# KiCad board Coral Dev Board Micro-PcbDoc.kicad_pcb (continued)
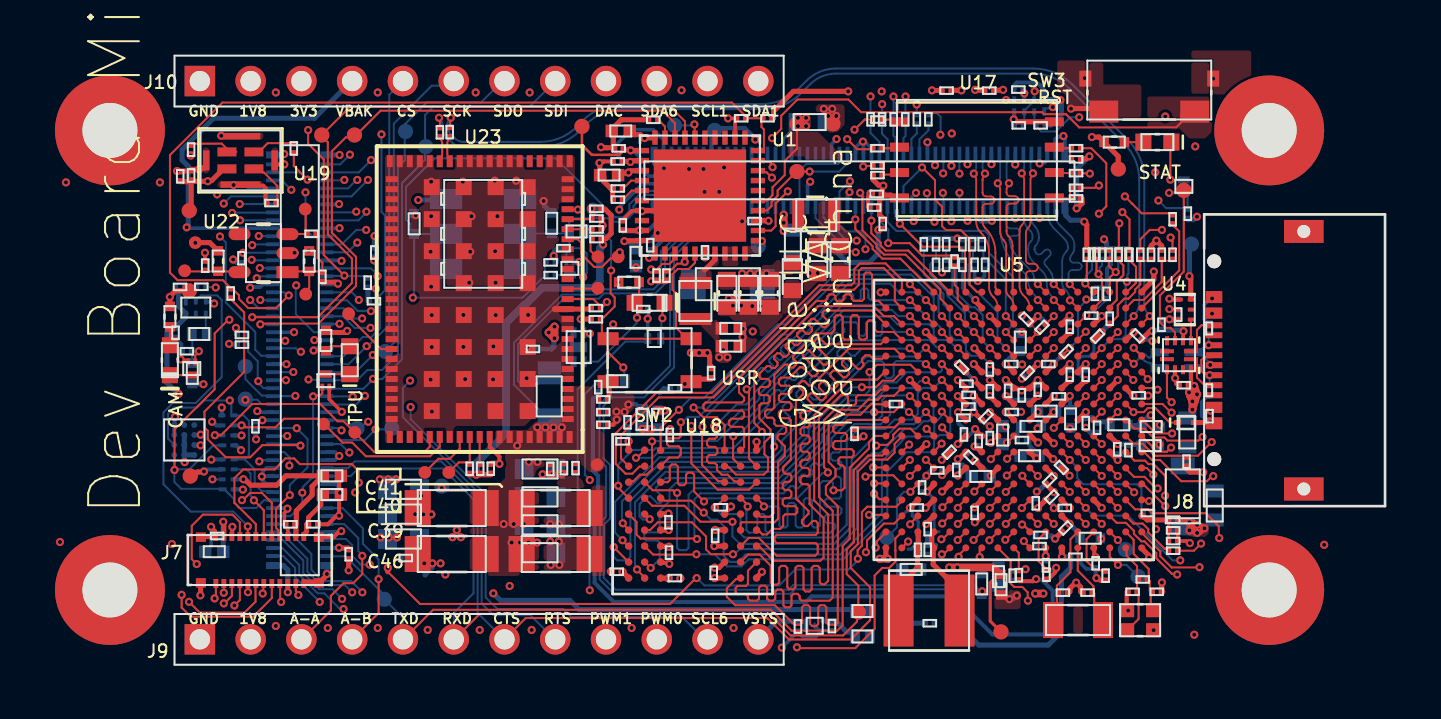
[diagram p0: board, top side]
## Routing (per net, layer and track width the routed paths; a pad name or vN(x,y) marks a point on that pad's centre or on a via; arc(x,y) is an arc through that point) (continued)
VDD_1V8: length 59
  Top w0.102: v1(35.85,21.77) 35.85,21.76 36.09,21.76 36.09,21.76 ; U5.E7 41.02,15.46
  Top w0.203: v1(50.4,18.32) 50.46,18.32 50.5,18.27 50.9,18.27 U4.1
  Top w0.254: U5.M12 v1(45.41,9.46) ; v1(39.82,15.05) U5.F6 ; U5.D12 v1(45.42,16.65) ; U5.G13 v1(46.22,14.25) ; U5.P7 40.66,7.89 v1(40.66,7.88) ; 51.29,9.93 51.29,9.79 51.44,9.64 v1(52.1,9.64) ; 40.65,15.83 41.02,15.46 ; v1(39.83,12.64) U5.J6 ; v1(39.82,14.25) U5.G6 ; 50.39,18.32 50.43,18.28 ; 24.75,19.17 25.24,19.17 ; v1(39.82,13.45) U5.H6 ; v1(9.34,4.73) 9.34,5.23 ; v1(40.62,15.05) U5.F7
  Top w0.381: v1(24.75,12.73) 25.15,12.73 ; v1(31.11,21.71) v1(31.11,22.52)
  In2.Cu w0.254: v1(24.48,19.19) 23.8,18.51 22.59,18.51 21.82,19.28 21.82,19.82 21.05,20.59 19.77,20.59 19.65,20.47 19.61,20.47 v1(19.6,20.46) 18.72,19.58 11.53,19.58 10.97,19.02 10.96,19.02 10.76,18.81 v1(10.71,18.81)
  In2.Cu w0.381: 24.74,12.72 25.15,12.72 v1(25.15,12.72) ; v1(31.11,21.71) v1(31.11,22.52)
  In3.Cu w0.381: v1(24.75,12.73) 24.75,12.73 25.16,12.73 25.17,12.72 ; v1(31.11,21.71) v1(31.11,22.52)
  In4.Cu w0.254: 51.76,9.97 52.1,9.64 v1(52.1,9.64) ; 25.07,12.73 25.14,12.73 v1(25.15,12.72)
  In4.Cu w0.381: 51.07,18.46 50.94,18.32 50.36,18.32 50.35,18.32
  In5.Cu w0.381: v1(24.75,12.73) 25.17,12.73 ; v1(31.11,21.71) v1(31.11,22.52)
  Bottom w0.102: v1(43.02,16.65) 43.02,16.71 ; J6.36 31.9,24.73 32.23,25.06 33.83,25.06 33.9,25.13 33.9,25.6 ; 19.79,20.85 19.8,20.84 ; v1(31.11,21.71) 31.53,21.71 R3.2 ; J6.32 31.11,22.87 v1(31.11,22.52) ; 19.65,20.3 19.67,20.23 19.75,20.13 ; 39.82,12.63 v1(39.83,12.64) 40.05,12.86 40.05,12.87 ; 31.44,21.75 31.11,22.08 v1(31.11,22.12)
  Bottom w0.152: 46.63,16.12 46.63,15.66 46.4,15.44 46.02,15.44 45.84,15.26 45.84,14.6 46.19,14.25 v1(46.22,14.25) ; 45.51,16.57 45.51,16.59 45.45,16.65 v1(45.42,16.65) ; 46.53,16.22 46.6,16.22
  Bottom w0.203: 40.13,11.82 40.1,11.82 40.03,11.9 40.03,11.91 39.86,12.07 39.86,12.34 39.83,12.36 ; v1(44.95,28.26) 44.9,28.26 44.85,28.31 44.14,28.31 ; v1(4.05,8.77) 4.04,8.77 3.62,8.77 U13.8 ; v1(45.44,11.83) 45.44,11.85 ; R21.2 42.65,28.81 42.65,29.02 42.77,29.14 43.51,29.14 arc(43.62,29.13) 43.72,29.11 arc(43.73,29.1) 43.74,29.1 arc(43.84,29.07) 43.93,29.01 arc(43.95,28.99) 43.97,28.97 arc(43.98,28.96) 43.98,28.96 44.02,28.92 arc(44.11,28.78) 44.14,28.62 U14.8 ; U10.8 3.72,10.98 v1(3.96,10.74)
  Bottom w0.254: 19.63,20.49 19.63,20.68 19.8,20.84 ; v1(24.75,12.73) 24.74,12.73 24.74,12.73 ; 10.31,18.19 10.31,18.82 10.31,18.82 10.3,18.82 10.3,18.83 10.7,18.83 v1(10.71,18.81) ; 19.75,20.13 19.75,20.28 19.6,20.43 v1(19.6,20.46) ; C23.1 25.45,13.82 25.44,13.81 25.12,13.81 24.91,13.61 ; v1(4.71,11.28) 4.7,11.29 4.7,11.63 4.69,11.64 4.68,11.64 ; U6.B4 U6.C4 ; U6.B4 U6.B3 U6.B2 ; U6.B4 1.12,10.16 v1(1.14,10.14) ; 45.2,9.68 45.2,9.68 45.41,9.46 v1(45.41,9.46) ; v1(35.85,21.77) 35.84,21.76 35.84,20.58 35.39,20.13 34.29,20.13 32.67,21.75 R3.2 ; 10.74,18.85 10.75,18.84 ; 39.82,13.45 40.01,13.45 ; v1(44.95,28.26) 44.98,28.23 44.98,28.11 45,28.09 45,27.55 44.47,27.02 44.27,27.02 44.26,27.01 44.26,26.99 ; v1(51.79,22.42) 51.75,22.42 51.6,22.27 51.33,22.27 ; 3.7,16.02 3.7,16.04 3.7,16.04 3.38,16.04 v1(3.36,16.06) ; v1(10.61,20.24) 10.63,20.25 10.63,20.33 ; v1(25.15,12.72) 25.18,12.75
  vias: v1(40.65,15.84)
VDD_1V8_AON: length 29.6
  Top w0.127: 23.13,25.79 23.13,25.76 22.88,25.52 22.79,25.52 22.78,25.52 22.39,25.52 22.38,25.52 21.51,25.52 21.01,26.01 TP1.1
  Top w0.254: v1(20.96,17.3) 20.96,17.3 21.41,17.3 21.41,17.29 ; 23.13,25.79 23.13,25.77 23.13,25.77 23.43,25.77 23.46,25.74 24.01,25.74 U1.1
  In4.Cu w0.254: v1(30.35,22.22) 29.82,21.68 28.57,21.68 27.61,22.65 26.56,22.65 23.97,25.25 23.97,25.25 23.47,25.74 v1(23.46,25.74)
  In5.Cu w0.254: v1(20.96,17.3) 20.99,17.33 20.99,17.53 22.17,18.71 25.39,18.71 26.63,19.95 26.63,20.68 27.66,21.71 29.84,21.71 v1(30.35,22.22)
  Bottom w0.102: 29.92,22.2 29.93,22.22
  Bottom w0.178: 25.5,25.6 25.51,25.59 25.51,25.01 25.51,25.01 25.51,24.68 25.28,24.45 24.36,24.45 23.92,24.89 23.92,25.39 23.68,25.63 23.65,25.63
  Bottom w0.254: 29.93,22.22 v1(30.35,22.22)
VDD_1V8_CAM: length 53
  Top w0.254: TP7.1 1.56,9.44 1.75,9.64 1.79,9.64 1.8,9.64 2.08,9.64 v1(2.1,9.67) ; v1(23.9,21.74) 23.9,21.73 U1.9 24.01,21.72 23.06,21.72 23.06,21.72 ; J7.11 6.71,6.42 6.71,7.01 6.73,7.03 6.73,7.7 7.51,8.49 7.51,8.92 7.86,9.27 7.87,9.27 C31.1 6.21,9.45 5.74,8.98 4.44,8.98 4.23,9.2 4.21,9.2 4.12,9.28 v1(4.08,9.28)
  In2.Cu w0.203: v1(4.08,9.28) 3.68,9.69 2.12,9.69 v1(2.1,9.67)
  In5.Cu w0.254: v1(2.1,9.67) 2.08,9.7 2.08,9.85 1.49,10.43 1.49,12.9 v1(0.83,13.56) 2.13,14.85 3.45,14.85 7.87,19.27 7.87,19.88 8.68,20.69 10.99,20.69 11.5,20.19 17.5,20.19 18.8,21.49 22.44,21.49 22.7,21.75 23.88,21.75 v1(23.9,21.74)
  Bottom w0.203: v1(23.9,21.74) 23.94,21.77 24.38,21.77 25.06,22.46 25.06,22.55 25.1,22.59 J6.2 ; U13.7 3.62,9.28 4.07,9.28 v1(4.08,9.28) ; U13.3 3.01,9.77 2.88,9.77 2.88,9.77 2.26,9.77
  Bottom w0.254: 0.71,16.91 1.2,17.4 U3.6 0.83,17.94 0.83,18.61 0.68,18.76 0.68,18.9 R13.2 ; 0.68,16.91 0.63,16.86 0.48,16.86 0.25,16.63 0.25,14.11 0.81,13.56 v1(0.83,13.56)
VDD_1V8_MIC: length 37.7
  Top w0.254: 1.46,24.19 1.45,24.18 0.92,24.18 0.92,24.17 ; 1.46,24.19 1.46,22.82 TP26.1 ; 1.46,24.19 1.47,24.19 2.29,24.19 2.29,24.19 2.34,24.23 2.49,24.23 2.91,24.65 2.91,24.72 3.01,24.82 U19.4 ; v1(24.38,20.36) 24.41,20.39 24.66,20.39 24.67,20.4 U1.11
  In2.Cu w0.254: v1(24.38,20.36) 23.46,20.36 23.31,20.21 22.23,20.21 21.29,21.15 18.8,21.15 17.89,20.24 11.73,20.24 11.25,20.72 10.44,20.72 9.88,20.16 9.88,19.5 8.2,17.82 4.24,17.82 3.12,18.94 3.12,20.45 3.34,20.66 3.34,21.9 2.29,22.94 v1(2.29,24.2)
  Bottom w0.203: J6.4 25.5,21.7 24.5,20.7 ; v1(24.38,20.36) 24.4,20.39 24.4,20.7 24.43,20.73
VDD_1V8_SENSE: length 37.7
  Top w0.102: U1.24 30.28,22.73 30.5,22.95 30.5,23.17 30.81,23.47 30.81,23.74 31.7,24.63 31.77,24.63 ; v1(32.41,24.68) 31.82,24.68 31.79,24.65
  In2.Cu w0.381: 28.19,15.56 v1(28.29,15.39) v1(27.89,15.39) v1(28.09,15.74) 28.19,15.56
  In4.Cu w0.013: 24.29,16.84 28.49,16.84 28.49,13.64 24.29,13.64 24.29,16.84
  In4.Cu w0.381: v1(27.89,15.39) v1(28.09,15.74) v1(28.29,15.39) v1(27.89,15.39)
  In5.Cu w0.254: v1(28.29,15.39) 30.25,15.39 33.27,18.4 33.27,24 32.61,24.65 32.44,24.65 v1(32.41,24.68)
  In5.Cu w0.381: 28.19,15.56 v1(28.29,15.39) v1(27.89,15.39) v1(28.09,15.74) 28.19,15.56
  Bottom w0.102: v1(32.41,24.68) 33.88,24.68 34.3,25.1 34.3,25.6
VDD_2V8_CAM: length 48.3
  Top w0.102: 24.01,25.23 U1.2
  Top w0.254: J7.2 3.09,6.42 3.09,6.72 3.09,6.72 3.09,7.13 v1(3.07,7.16) ; R168.2 0.4,17.94 0.4,18.41 v1(0.4,18.41) 0.4,18.43 0.68,18.71 TP2.1 ; 23.19,25.19 23.41,25.19 v1(23.44,25.16) ; 23.44,25.21 23.45,25.22 24,25.22 24.01,25.23
  In2.Cu w0.254: v1(3.07,7.16) 1.79,8.44 1.33,8.44 0.15,9.61 0.15,18.16 v1(0.4,18.41)
  In5.Cu w0.254: v1(0.4,18.41) 0.42,18.43 0.7,18.43 2.46,20.19 5.31,23.03 7.52,23.03 7.99,23.5 11.69,23.5 12.87,24.68 22.35,24.68 22.83,25.16 v1(23.44,25.16)
  Bottom w0.102: 3.06,6.44 3.07,6.44
  Bottom w0.178: v1(23.44,25.16) 23.4,25.21 23.09,25.21 22.72,25.59 22.72,26.01 23.48,26.78 24.58,26.78 25.09,26.26 25.09,25.6 25.1,25.6
  Bottom w0.254: C29.1 3.07,6.44 ; v1(3.07,7.16) 3.07,7.15 3.07,6.45 3.06,6.44
VDD_3V3: length 19.9
  Top w0.102: v1(33.54,27.82) 33.54,27.86 ; v1(33.33,27.46) 33.51,27.46 33.63,27.58
  Top w0.254: U1.3 24.01,24.72 23.47,24.72 23.38,24.63 v1(23.34,24.63) 23.31,24.6 22.83,24.6 ; v1(46.53,26.41) 46.89,26.41 47.13,26.17 47.13,26.14 ; 47.13,26.14 R170.2 ; 47.13,26.14 47.24,26.03 47.26,26.03 47.84,25.44 47.84,24.81 TP14.1 ; U1.10 24.01,21.22 23.16,21.22 v1(23.14,21.2)
  Top w0.381: 19.62,16.35 19.62,16.36 19.35,16.62 v1(19.35,16.63) v1(19.64,16.92) 19.65,16.92 19.65,16.37 19.66,16.36
  In2.Cu w0.3: v1(19.35,16.63) v1(19.64,16.92) v1(19.64,16.34) v1(19.35,16.63)
  In2.Cu w0.381: 33.12,27.81 33.12,27.81 ; 33.13,27.81 v1(33.33,27.46) v1(33.74,27.46) v1(33.54,27.82) 33.32,27.81 33.13,27.81 33.13,27.81 ; 33.13,27.81 v1(33.12,27.82) ; v1(42.4,3.28) v1(42.77,3.46)
  In4.Cu w0.381: v1(42.4,3.28) v1(42.77,3.46) ; 33.13,27.81 v1(33.33,27.46) v1(33.74,27.46) v1(33.54,27.82) 33.32,27.81 33.13,27.81 33.13,27.81 ; 33.12,27.81 33.12,27.81 ; 33.13,27.81 v1(33.12,27.82) ; v1(19.35,16.63) v1(19.64,16.34) v1(19.64,16.92) v1(19.35,16.63)
  In5.Cu w0.381: v1(42.4,3.28) v1(42.77,3.46) ; v1(19.64,16.34) v1(19.64,16.92) v1(19.35,16.63) v1(19.64,16.34)
  Bottom w0.102: v1(46.99,6.3) 46.97,6.32 46.97,6.32 R415.1 ; v1(33.33,27.46) 33.13,27.26 R2.2
  Bottom w0.152: 33.52,27.77 33.52,27.81 v1(33.54,27.82) ; 33.73,27.48 v1(33.74,27.46) ; 33.12,27.27 33.12,27.81
  Bottom w0.254: v1(19.64,16.34) 19.61,16.31 19.61,15.92 19.49,15.8 C30.1 ; 48.37,12.01 48.42,11.96 49.02,11.96 ; v1(49.47,12.49) 49.44,12.46 49.39,12.46 49.17,12.23 49.17,12.04 FB5.1 ; 23.72,20.89 23.59,21.02 23.52,21.02 23.37,21.17 23.17,21.17 v1(23.14,21.2)
  Bottom w0.381: 42.4,3.28 v1(42.4,3.28) v1(42.77,3.46)
  vias: v1(22.85,19.14)
VDD_3V3_SENSE: length 12.1
  Top w0.102: TP3.1 31.78,27.07 31.78,27.37 ; TP3.1 31.77,25.82 31.16,25.21 31.16,24.51 30.55,23.89 30.55,23.5 30.28,23.23 29.82,23.23 U1.25 ; TP3.1 31.9,26.94 32.18,26.94
  In3.Cu w0.381: 32.17,26.95 32.18,26.94 ; 32.17,26.95 31.8,26.95 31.78,26.97 31.77,26.97 31.77,26.97 31.77,27.37 31.78,27.37 ; 32.17,26.95 32.17,26.95 31.78,27.35 31.78,27.36 ; 31.78,27.37 31.78,27.36 ; 31.78,27.37 31.78,27.36 ; 31.78,27.36 32.16,27.36 32.17,27.35 32.18,27.35 32.18,26.95 32.18,26.95
  In4.Cu w0.381: 31.78,27.36 32.16,27.36 32.17,27.35 32.18,27.35 32.18,26.95 32.18,26.95 ; 31.78,27.36 31.78,27.37 ; 31.78,27.36 31.78,27.37 ; 31.78,27.36 31.78,27.35 32.17,26.95 32.17,26.95 ; 31.78,27.37 31.77,27.37 31.77,26.97 31.77,26.97 31.78,26.97 31.8,26.95 32.17,26.95 ; 32.17,26.95 32.18,26.94
  Bottom w0.102: TP3.1 31.78,27.07 31.78,27.37 31.68,27.27 R2.1 TP3.1 ; TP3.1 31.77,26.97
  Bottom w0.152: 31.1,25.6 31.1,26.32 31.43,26.65
  vias: v1(31.82,27.37) v1(31.82,26.95) v1(32.23,27.37) v1(32.23,26.95)
VDD_COIN_3V: length 66.7
  In2.Cu w0.254: v1(16.58,3.57) 10.7,3.57 10.19,4.08 7.77,4.08 4.45,7.4 3.61,7.4 1.57,9.44 1.57,10.74 1.39,10.91 1.39,15.54 1.22,15.71 1.22,21.86 v1(1.24,21.89)
  Bottom w0.178: J5.83 5.54,21.85 5.01,21.85 5.01,21.85 1.28,21.85 v1(1.24,21.89)
  Bottom w0.254: v1(1.24,21.89) 1.24,21.93 1.32,22.01 1.32,24.94 1.01,25.25 1.01,25.77 2.59,27.35 7.63,27.35 9.52,29.24 ; v1(16.58,3.57) 16.94,3.22 20.42,3.22 20.87,2.76 34.54,2.76
VDD_LPSR_ANA: length 0.6
  Top w0.203: U5.P12 v1(45.42,7.85)
VDD_LPSR_DIG: length 0.7
  Top w0.102: v1(43.84,7.84) 43.84,7.86
  Top w0.25: 43.84,7.86 U5.P11
  Bottom w0.254: 43.78,7.81 43.83,7.81 43.84,7.81 v1(43.84,7.84)
VDD_LPSR_IN: length 46.9
  Top w0.254: U5.R12 v1(45.42,7.05)
  In3.Cu w0.203: v1(29.56,16.68) 32.17,14.08 32.17,4.79 34.17,2.79 41.28,2.79 41.88,3.38 41.88,4.95 42.72,5.78 43.4,5.78 43.51,5.89 44.92,5.89 45.42,6.38 v1(45.42,7.05)
  In5.Cu w0.254: v1(29.56,16.68) 29.59,16.71 29.72,16.71 31.7,18.69 31.7,22.7 30.88,23.51 30.88,24.13 30.98,24.23 30.98,25.14 29.87,26.25 29.72,26.25 v1(29.69,26.28)
  Bottom w0.203: v1(29.69,26.28) 29.69,26.34 29.17,26.85 27.48,26.85 27.49,26.84 27.49,25.6 27.5,25.6
  Bottom w0.254: R415.2 45.82,6.44 45.82,6.65 v1(45.42,7.05)
VDD_MIPI_1P0: length 1
  Top w0.25: v1(43.82,15.05) 43.82,15.05 U5.F10
  Bottom w0.254: 43.52,14.81 43.53,14.8 43.54,14.8 43.79,15.05 43.81,15.05
VDD_MIPI_1P8: length 1.7
  Top w0.254: v1(42.22,15.05) U5.F9
  Bottom w0.254: v1(42.22,15.05) 42.23,15.05 42.23,15.15 42.68,15.6 42.92,15.6 43.02,15.7
VDD_SNVS: length 10.8
  Top w0.3: U5.U12 45.03,5.84 45.03,5.41 v1(45.03,5.4)
  Bottom w0.254: 39.77,2.08 40.86,0.98 44.34,0.98 45,1.64 45,4.4 45.46,4.86 45.46,5.4 v1(45.03,5.4)
VDD_SNVS_3V3: length 1
  Bottom w0.254: TP10.1 38.12,2.08
VDD_SNVS_ANA: length 39.4
  Top w0.203: v1(44.22,5.44) 44.22,5.44 44.22,5.85 U5.U11 ; U5.U14 46.65,5.82 46.65,5.5 46.72,5.43 v1(46.72,5.38) ; 42.87,4.18 43.58,4.18 43.68,4.29 v1(43.73,4.29)
  Bottom w0.102: 44.21,5.45 v1(44.22,5.44)
  Bottom w0.203: 21.83,13.59 21.8,13.59 21.78,13.57 21.78,13.52 21.56,13.3 21.56,9.73 21.83,9.45 21.83,8.31 21.65,8.13 21.65,4.09 22.6,3.14 32.23,3.14 32.51,3.42 39.65,3.42 41.55,1.52 44.17,1.52 44.57,1.92 44.57,3.7 44.02,4.26 43.76,4.26 v1(43.73,4.29)
  Bottom w0.254: 44.21,5.43 44.21,5.94
VDD_SNVS_DIG: length 2.8
  Top w0.102: 47.22,4.72 46.72,4.72 46.26,5.19 46.26,6.29 U5.T14
VDD_SOC_IN: length 6.3
  Top w0.254: v1(41.42,12.65) U5.J8 ; v1(41.42,13.45) U5.H8 ; v1(43.84,11.12) 43.81,11.12 43.53,11.4 43.5,11.4 43.45,11.45 U5.K10 ; U5.J10 v1(43.82,12.65) ; U5.L7 41,10.65 40.72,10.93 v1(40.66,10.93) ; v1(42.22,12.65) 42.24,12.65 42.62,12.27 U5.J9 ; v1(42.22,13.45) U5.H9 ; U5.H10 v1(43.82,13.45)
  Bottom w0.254: v1(43.82,13.45) 43.79,13.45 43.79,13.44 43.79,13.42 43.6,13.23 42.44,13.23 42.3,13.37 42.3,13.4 42.25,13.45 v1(42.22,13.45) ; v1(43.81,11.83) 43.87,11.83
VDD_USB_1P8: length 1.6
  Top w0.254: U5.H12 v1(45.42,13.45)
  Bottom w0.203: FB4.2 45.44,12.78 45.44,13.43 v1(45.42,13.45) 45.41,13.44 45.13,13.44 45.12,13.43
VDD_USB_3P3: length 0.6
  Top w0.254: U5.G12 v1(45.42,14.25)
  Bottom w0.203: 49.97,12.02 49.96,12.01 v1(49.93,12.01)
VDDA_1P0: length 38.3
  Top w0.254: U5.N11 v1(44.62,8.65)
  In4.Cu w0.254: 41.46,5.8 41.46,5.21 40.66,4.41 38.36,4.41 36.72,6.05 36.72,6.83 34.72,8.83 34.72,10.38 32.99,12.1 32.99,17.87 32.1,18.76 28.57,18.76 27.89,19.45 27.89,20.39 27.07,21.2 26.16,21.2 24.18,23.18 23.3,23.18 22.89,22.78 v1(22.88,22.78)
  Bottom w0.178: 25.9,25.6 25.9,24.42 25.55,24.07 24.05,24.07 22.97,22.99 22.97,22.93 22.88,22.84 v1(22.88,22.78)
  Bottom w0.254: 43.08,14.35 43.05,14.32 v1(43.02,14.32)
VDDA_ADC_3P3: length 2.3
  Top w0.254: U5.J13 46.22,12.65
  Bottom w0.254: v1(46.22,12.65) 46.22,12.36 46.23,12.36 46.57,12.36 46.71,12.21 46.71,12.18 46.76,12.13 46.79,12.13 ; 46.79,12.16 47.32,12.16 47.47,12.01
(no net):
ADC1_CH0A: length 64.5
  Top w0.102: v1(10.02,5.45) 10.02,4.53 9.57,4.08 9.09,4.08 8.45,3.45 8.45,2.71 6.98,1.24 ; U5.N13 v1(46.22,8.65)
  In5.Cu w0.102: v1(10.02,5.45) 10.27,5.69 21.31,5.69 21.89,5.12 21.89,4.72 22.86,3.75 30.41,3.75 33,1.16 47.65,1.16 50.39,3.9 50.39,4.82 50.59,5.02 50.59,9.03 49.75,9.87 49.25,9.87 48.47,9.09 47.67,9.09 47.47,9.3 47.47,9.67 47.29,9.85 46.78,9.85 46.61,9.67 46.61,9.03 v1(46.22,8.65)
  Bottom w0.102: 8.26,7.04 9.12,7.04 9.83,6.33 9.83,5.68 10.02,5.48 v1(10.02,5.45)
ADC1_CH0B: length 56.8
  Top w0.102: J9.4 10.84,2.59 v1(10.84,4.29) ; U5.T17 49.02,6.6 49.95,5.67 49.95,5.43 50.52,4.87 51.9,4.87 v1(51.91,4.88)
  In5.Cu w0.102: v1(10.84,4.29) 10.92,4.29 11.99,3.22 30.37,3.22 32.83,0.75 47.93,0.75 51.86,4.68 51.86,4.82 v1(51.91,4.88)
  Bottom w0.102: v1(10.84,4.29) 10.84,5.26 10.05,6.05 10.05,6.83 9.04,7.84 8.26,7.84 8.26,7.84
ADC1_CH2A: length 2.5
  Top w0.152: 50.36,7.28 50.37,7.28 R40.1 C33.1 R41.2
  Top w0.25: 50.29,7.23 50.29,7.25 49.29,7.25 49.14,7.4 49.1,7.4 49.05,7.45 U5.R17
ADC1_CH2B: length 56.1
  Top w0.102: v1(52.9,6.34) 52.88,6.36 52.88,6.93 52.22,7.58 49.53,7.58 49.34,7.78 48.69,7.78 U5.P16
  In5.Cu w0.102: v1(10.39,5.01) 10.43,5.01 10.91,5.49 21.19,5.49 21.69,5 21.69,4.63 22.77,3.55 30.32,3.55 32.91,0.96 47.74,0.96 51.51,4.72 51.51,5.25 51.8,5.54 52.1,5.54 v1(52.9,6.34)
  Bottom w0.102: v1(10.39,5.01) 9.94,5.01 9.52,5.43 9.52,5.98 9.21,6.29 8.31,6.29 8.26,6.24
ADC_1V8_IN: length 2.9
  Top w0.254: U5.K15 v1(47.82,11.05) ; U5.G16 48.22,13.84 48.54,13.52 48.54,13.51 ; U5.M11 v1(44.62,9.45)
  Bottom w0.102: 48.6,13.48 48.57,13.48 48.54,13.51
  Bottom w0.254: 47.84,11.04 48.36,11.04 ; 48.98,11.02 49.04,10.97 ; 47.86,11.04 47.86,11.04 47.86,11.04 47.85,11.05 v1(47.82,11.05) ; 48.37,11.02 48.96,11.02 ; 48.38,11.04 48.4,11.02
  vias: v1(48.6,13.46)
BOOT_MODE0: length 68.6
  Top w0.102: v1(39.82,7.85) 39.82,7.89 40.18,8.25 U5.P6
  In2.Cu w0.102: v1(12.56,18.37) 12.6,18.37 12.77,18.2 19.48,18.2 20.37,17.32 20.37,16.37 20.87,15.87 25.95,15.87 26.18,16.1 28.28,16.1 29.57,14.81 30.52,14.81 35.07,10.25 35.74,10.25 36.6,9.4 36.6,8.81 37.13,8.27 39.37,8.27 39.79,7.85 v1(39.82,7.85)
  Bottom w0.102: 19.15,20.13 19.15,20.04 19.15,19.6 19.15,19.5 19.15,19.47 18.05,18.37 v1(12.56,18.37) ; 28.7,25.6 28.7,24.63 28.42,24.35 26.86,24.35 26.23,23.72 24.07,23.72 23.39,23.04 23.39,22.7 23.08,22.4 22.66,22.4 19.71,25.34 13.64,25.34 12.22,23.92 12.22,22.28 12.42,22.07 12.42,21.74 12.61,21.55 R163.2 ; SW1.5 14.21,21.55 R163.2 ; 12.62,18.52 R163.2
BOOT_MODE1: length 46.3
  Top w0.102: U5.T7 40.62,6.24 v1(40.61,6.24)
  In2.Cu w0.102: v1(40.61,6.24) 40.27,6.59 40.27,8.74 39.95,9.06 38.14,9.06 37.89,9.31 37.89,9.6 37.62,9.87 37.11,9.87 36.8,10.18 36.8,10.4 35.88,11.32 35.52,11.32 35.26,11.05 34.85,11.05 30.68,15.22 29.73,15.22 28.4,16.55 25.83,16.55 25.68,16.4 22.37,16.4 21.03,17.75 21.03,19.35 v1(21.08,19.4)
  Bottom w0.102: SW1.2 17.94,21.58 R164.2 20.37,21.58 ; v1(21.08,19.4) 21.08,19.43 21.26,19.61 21.26,20.57 20.98,20.85 20.39,20.85 ; 20.39,20.85 20.39,21.58 20.37,21.61 D6.A ; 20.39,20.85 20.39,20.82 20.24,20.67 Q4.1 ; 20.38,21.68 20.38,22.18 20.54,22.34 21.37,22.34 21.37,22.34 21.76,22.34 21.76,22.34 22.39,22.34 22.56,22.17 23.14,22.17 23.59,22.62 23.59,22.95 24.15,23.51 26.31,23.51 26.95,24.15 28.57,24.15 29.1,24.68 29.1,25.6
BRD_STAT_LED: length 64.1
  Top w0.102: v1(42.29,10.31) 42.29,10.31 U5.L9
  In2.Cu w0.102: 10.3,21.82 10.36,21.82 10.4,21.86 10.97,21.86 11.5,21.33 18.3,21.33 18.6,21.63 22.3,21.63 22.43,21.76 23.37,21.76 23.88,21.25 28.85,21.25 29.16,21.56 30.17,21.56 30.4,21.32 30.4,20.82 31.21,20.01 31.21,18.8 34.32,15.69 36.45,15.69 37.51,14.63 39.18,14.63 39.4,14.41 39.4,13.36 39.73,13.04 39.94,13.04 40.2,12.77 40.2,12.56 40.53,12.24 40.74,12.24 41.05,11.93 41.05,11.8 41.36,11.5 41.59,11.5 41.88,11.21 41.88,10.71 v1(42.29,10.31)
  In5.Cu w0.102: v1(42.29,10.31) 41.83,10.76 41.83,10.95 41.83,10.96 41.83,12.76 42.09,13.02 46.43,13.02 46.64,13.24 46.64,14.41 46.9,14.67 47.18,14.67 47.4,14.89 47.4,15.27 47.63,15.49 47.97,15.49 48.21,15.73 48.21,16.91 48.05,17.06 48.05,17.7 48.74,18.38 48.74,22.11 49.86,23.23 v1(49.86,23.23)
  Bottom w0.102: v1(10.22,21.76) 9.72,21.76 9,21.04 8.26,21.04 ; v1(49.86,23.23) 49.86,23.23 50.24,22.85 51.31,22.85 51.32,22.86 51.32,23.6 Q10.1
BT_CFG1_0_ENET_RGMII_TXD3: length 22.5
  Top w0.102: U5.D10 43.82,16.65
  In5.Cu w0.127: v1(35.45,28.44) 35.45,26.38 35.97,25.87 36.15,25.87 36.52,26.24 36.7,26.24 36.88,26.06 36.88,25.88 36.43,25.43 36.43,25.25 36.61,25.07 36.79,25.07 37.24,25.53 37.42,25.53 37.6,25.35 37.6,25.17 37.23,24.79 37.23,24.61 37.56,24.28 38.32,24.28 38.67,23.93 38.67,23.09 38.26,22.69 38.26,19.82 39.38,18.7 41.14,18.7 41.35,18.49 42.55,18.49 43.42,17.63 43.42,17.25 43.77,16.9 43.77,16.72 v1(43.82,16.66)
  Bottom w0.102: v1(43.82,16.66) 43.82,16.69 43.46,17.06 43.46,17.09 ; 35.45,27.6 v1(35.45,28.44)
BT_CFG1_1_ENET_RGMII_TXD2: length 22.1
  Top w0.102: U5.E12 v1(45.42,15.85)
  In5.Cu w0.127: v1(46.25,18.28) 46.29,18.28 46.59,18.58 46.59,19.26 44.57,21.28 44.57,25.35 44.12,25.8 42.44,25.8 41.22,27.02 37.07,27.02 v1(36.03,28.06)
  Bottom w0.102: v1(45.42,15.85) 45.84,16.27 45.84,17.82 46.25,18.23 v1(46.25,18.28) 46.28,18.31 46.65,18.31 R140.1 ; R16.2 36.03,28.05 v1(36.03,28.06)
BT_CFG1_2_ENET_RGMII_TXD1: length 23.4
  Top w0.102: 47.38,20.22 47.38,19.95 47.68,19.65 ; 47.68,19.65 v1(47.72,19.65) ; 47.68,19.65 47.68,19.63 47.42,19.38 U5.A15
  In5.Cu w0.127: v1(36.6,28.44) 36.6,28.47 36.97,28.83 37.88,28.83 38.78,27.93 41.43,27.93 42.47,26.89 44.12,26.89 44.71,26.3 44.71,26.3 44.96,26.05 45.52,26.05 45.84,25.72 45.84,25.29 46.12,25.01 47.14,25.01 47.39,24.76 47.39,23.69 47.28,23.58 46.81,23.58 46.7,23.47 46.7,23.26 46.81,23.15 47.28,23.15 47.39,23.04 47.39,22.04 47.88,21.56 47.88,21.14 48,21.01 48.23,21.01 48.36,20.88 48.36,20.63 48.23,20.5 48,20.5 47.72,20.22 v1(47.72,19.65)
  Bottom w0.102: 36.6,27.6 36.61,27.61 36.61,28.43 v1(36.6,28.44) ; 47.86,20.22 47.85,20.21 47.85,19.86 47.72,19.73 v1(47.72,19.65)
BT_CFG1_3_ENET_RGMII_TXD0: length 23.4
  Top w0.102: v1(46.25,17.48) 46.25,17.48 45.82,17.05 U5.C13
  In5.Cu w0.127: 46.26,17.48 46.74,17.96 47.81,17.96 47.94,18.09 47.94,18.34 47.81,18.47 46.97,18.47 46.85,18.6 46.85,18.85 46.97,18.98 47.13,18.98 47.25,19.11 47.25,20.51 46.61,21.15 46.61,22.27 46.17,22.7 46.17,23.26 45.84,23.59 45.84,24.81 44.84,25.81 44.84,25.81 44.46,26.19 44.34,26.31 42.69,26.31 41.32,27.68 38.68,27.68 37.89,28.47 37.23,28.47 v1(37.21,28.44)
  Bottom w0.102: 46.23,17.5 46.23,17.53 46.58,17.88 46.86,17.88 47.24,18.26 47.27,18.26 ; v1(37.21,28.44) 37.2,28.43 37.2,27.61 37.21,27.6
BT_CFG1_4_ENET_RGMII_TX_EN: length 23.5
  Top w0.102: 46.76,20.22 46.76,19.73 46.86,19.63 v1(46.86,19.55) 46.86,19.5 47.04,19.32 47.04,18.26 U5.B14
  In5.Cu w0.127: v1(37.76,28.04) 37.76,27.71 38.1,27.37 41.22,27.37 42.54,26.05 44.22,26.05 44.84,25.44 44.84,24.71 44.97,24.59 45.24,24.59 45.36,24.46 45.36,24.21 45.24,24.08 44.95,24.08 44.83,23.95 44.83,23.7 44.95,23.57 45.21,23.57 45.34,23.44 45.34,23.19 45.21,23.06 44.97,23.06 44.84,22.94 44.84,21.49 44.99,21.34 45.17,21.34 45.69,21.85 45.87,21.85 46.05,21.67 46.05,21.49 45.47,20.92 45.47,20.74 45.65,20.56 45.83,20.56 46.25,20.98 46.43,20.98 46.61,20.8 46.61,20.62 46.25,20.26 46.25,20.08 46.61,19.72 46.61,19.72 46.78,19.55 v1(46.86,19.55)
  Bottom w0.102: 47.04,20.22 47.04,19.98 46.92,19.86 46.92,19.61 v1(46.86,19.55) ; 37.77,27.6 37.77,27.6 37.77,28.03 v1(37.76,28.04)
BT_CFG1_5_ENET_RGMII_TXC: length 24.2
  Top w0.102: U5.A14 46.62,18.66 v1(46.2,19.08) ; 46.27,19.24 46.27,20.22
  In5.Cu w0.127: v1(46.2,19.08) 45.84,19.44 45.37,19.44 43.51,21.3 43.51,22.41 43.25,22.66 43.25,22.92 43.38,23.04 44.19,23.04 44.32,23.17 44.32,23.42 44.19,23.55 43.15,23.55 43.03,23.68 43.03,23.93 43.15,24.06 44.19,24.06 44.32,24.19 44.32,25.24 44.01,25.54 41.32,25.54 41.19,25.67 41.19,26.14 41.07,26.27 40.81,26.27 40.69,26.14 40.69,25.54 40.59,25.44 40.28,25.44 40.18,25.54 40.18,26.14 40.05,26.27 39.8,26.27 39.67,26.14 39.67,25.67 39.54,25.54 39.19,25.54 38.95,25.79 v1(38.95,26.52)
  Bottom w0.102: v1(38.95,26.52) 38.96,26.54 38.96,27.42 38.78,27.6 38.35,27.6 38.35,27.6 ; 46.53,20.22 46.53,19.76 46.25,19.48 46.25,19.13 v1(46.2,19.08)
BT_CFG1_6: length 6.8
  Top w0.102: v1(41.42,15.84) 41.43,15.84 U5.E8
  Bottom w0.102: 40.05,20.29 40.03,20.29 39.75,20.01 ; 40.05,20.31 40.03,20.31 39.75,20.04 39.75,20.01 ; 39.75,20.01 39.75,18.62 40.47,17.89 40.68,17.89 41.07,17.51 41.07,16.2 v1(41.42,15.84) ; 40.05,20.34 40.05,20.74
BT_CFG1_7: length 7.9
  Top w0.102: v1(41.42,15.05) U5.F8
  Bottom w0.102: 38.12,20.74 38.12,19.54 39.1,18.56 39.1,18.04 39.42,17.72 39.42,16.5 39.68,16.24 40,16.24 40.23,16.01 40.23,15.72 40.48,15.46 41.01,15.46 41.26,15.22 ; 38.07,20.72 38.08,20.71
BT_CFG2_0: length 6.4
  Top w0.102: v1(42.22,15.85) U5.E9
  Bottom w0.102: v1(42.22,15.85) 41.8,16.27 41.8,17.65 40.36,19.1 40.36,20.04 40.64,20.31 40.65,20.31 40.58,20.39 ; 40.58,20.41 40.58,20.67 40.53,20.72
BT_CFG2_1: length 6.1
  Top w0.102: v1(40.62,16.65) U5.D7
  Bottom w0.102: 38.73,20.34 38.73,20.74 ; v1(40.62,16.65) 40.18,17.09 40.18,17.59 39.31,18.47 39.31,18.65 38.43,19.53 38.43,20.01 ; 38.43,20.01 38.43,20.03 38.71,20.31 38.73,20.31 38.43,20.01
BT_CFG2_2: length 4.4
  Top w0.102: v1(40.62,17.45) U5.C7
  Bottom w0.102: 39.24,20.31 39.24,20.74 ; v1(40.62,17.45) 39.54,18.53 39.54,20.04 39.29,20.29 39.24,20.29
BT_CFG2_3: length 4.3
  Top w0.102: v1(42.22,17.45) U5.C9
  Bottom w0.102: 41.18,20.29 41.24,20.29 42.22,19.3 v1(42.22,17.45) ; 41.18,20.36 41.13,20.36 41.1,20.39 ; 41.1,20.41 41.1,20.74
BT_CFG_IO_EN: length 39.6
  Top w0.102: U5.P13 v1(46.22,7.85)
  In2.Cu w0.102: v1(43.67,28.7) 43.67,28.71
  In5.Cu w0.102: v1(43.67,28.7) 43.91,28.95 45.15,28.95 46.65,27.45 48.36,27.45 51.3,24.5 51.3,23.45 50.08,22.22 49.91,22.22 49.35,21.66 49.35,20.92 49.98,20.29 49.98,19.46 49.81,19.28 49.81,16.95 49.92,16.84 49.92,15.43 48.97,14.48 48.97,11.22 50.85,9.34 50.85,5.41 50.95,5.31 v1(50.95,5.22)
  Bottom w0.102: 43.15,27.11 43.15,27.12 43.15,27.66 U14.3 43.14,27.74 43.19,27.79 43.21,27.79 43.56,28.14 43.59,28.14 43.65,28.2 43.65,28.69 v1(43.67,28.7) ; v1(46.22,7.85) 46.61,7.46 48.33,7.46 50.57,5.22 v1(50.95,5.22)
BT_DEV_WAKE: length 10.4
  Top w0.102: v1(38.03,24.88) 38.05,24.88 38.68,24.25 38.68,23.27 39.04,22.92 39.04,21.95 39.23,21.76 39.96,21.76 40.41,21.3 40.41,19.02 40.77,18.66 41.01,18.66 U5.A7
  Bottom w0.102: v1(38.03,24.88) 37.1,23.95 J6.62
BT_HOST_WAKE: length 6.4
  Top w0.102: U5.A4 36.95,20.32 36.04,20.32 35.56,20.81 35.56,20.94 34.69,21.81 v1(34.69,22.28)
  Bottom w0.102: v1(34.69,22.28) 34.7,22.29 34.7,22.88 J6.50
